# Allegro board 6089-103-RevB_76.brd (continued)
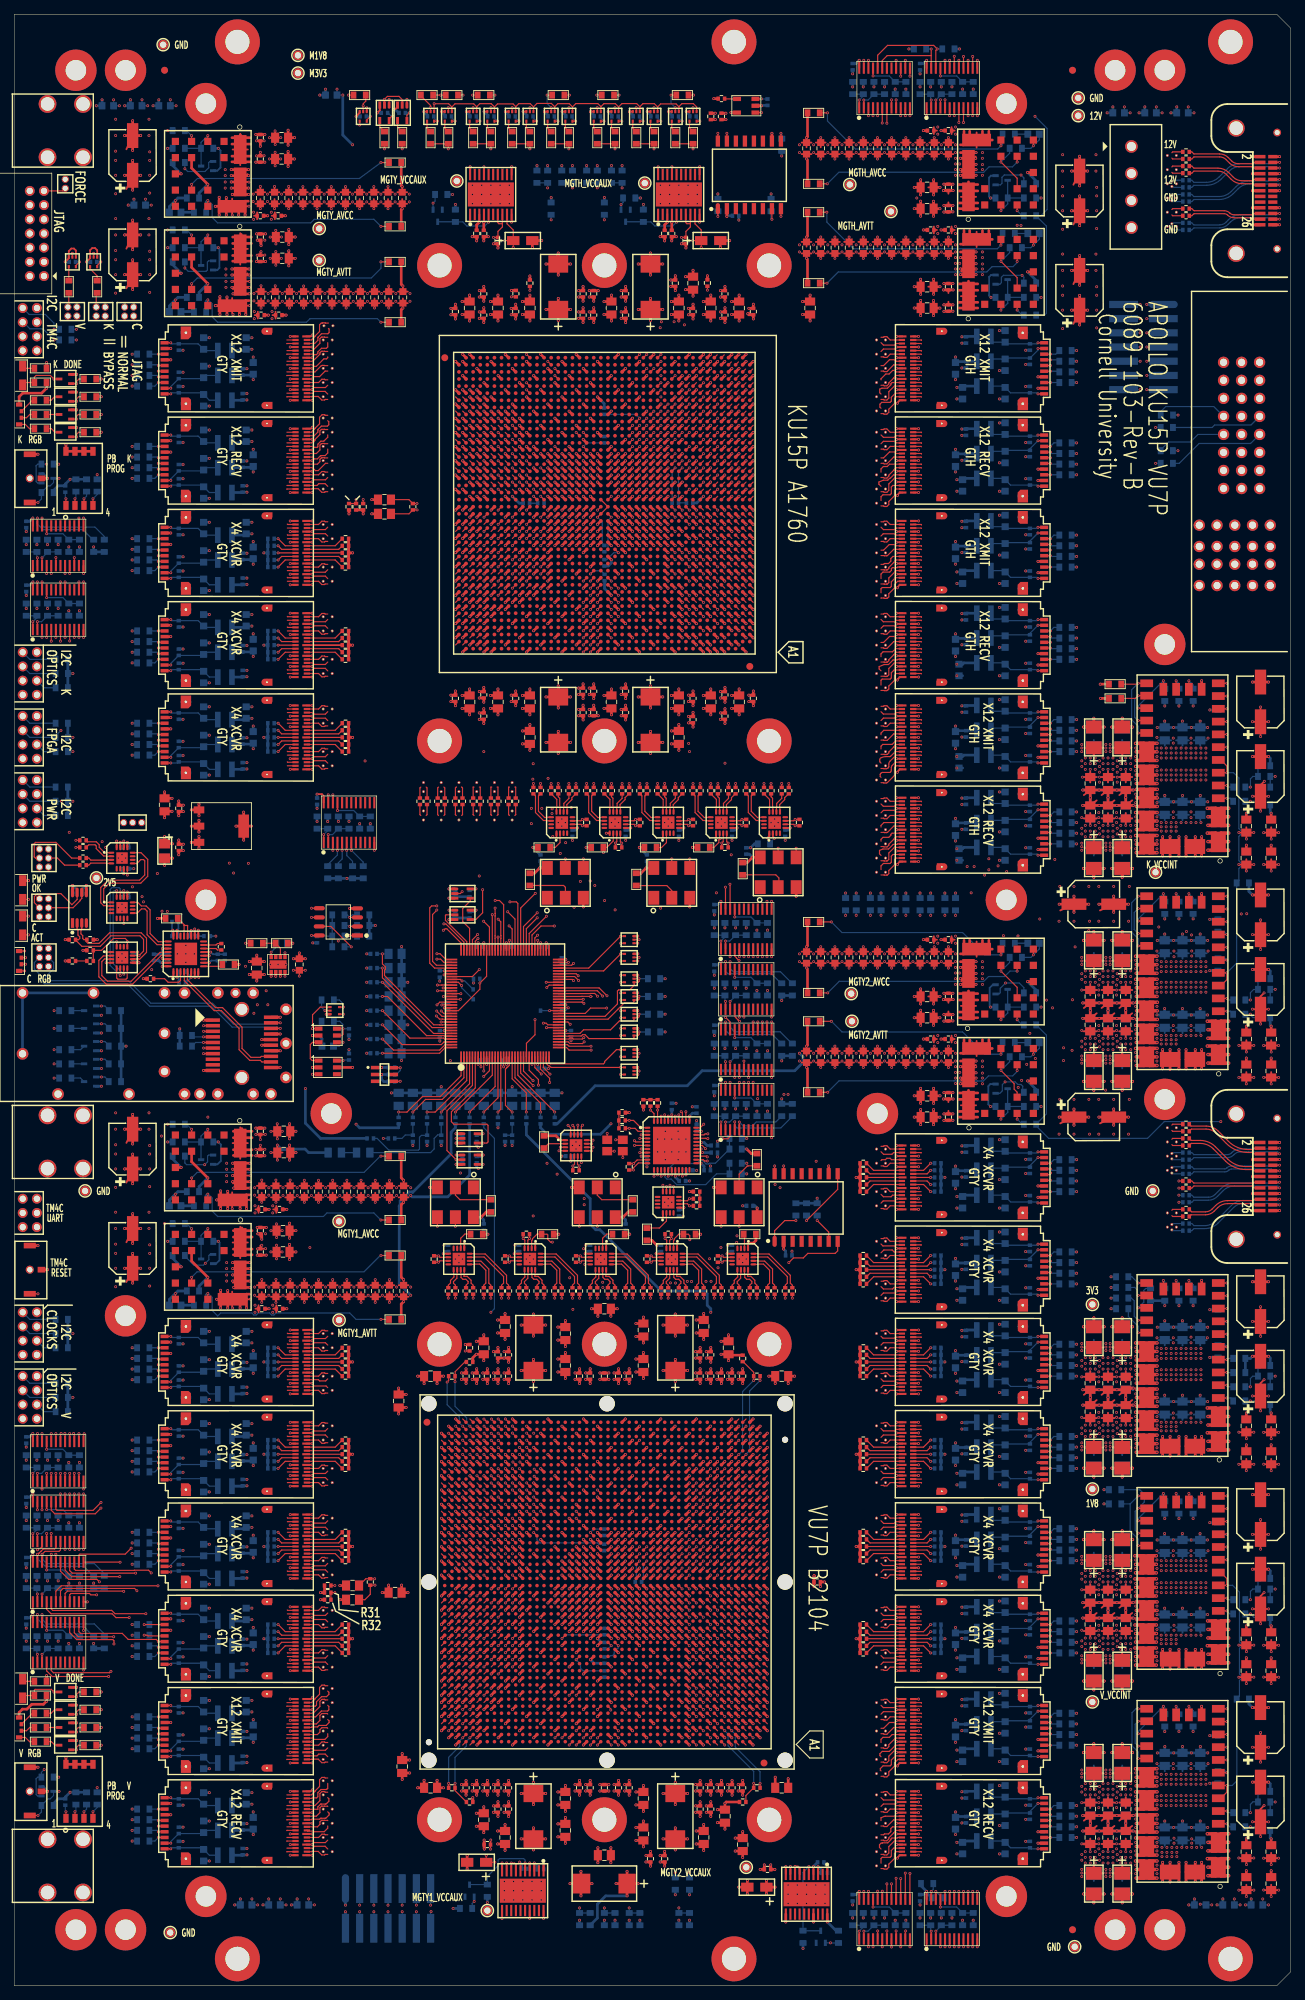
[diagram p0: board, top side]
## Routing (per net, layer and track width the routed paths; a pad name or vN(x,y) marks a point on that pad's centre or on a via; arc(x,y) is an arc through that point) (continued)
C306.2 v1(109.11,84.87) ; U65.M35 v1(69.23,198.93) ; U65.BB41 v1(63.23,229.87) ; U65.R40 v1(64.23,201.93) ; U65.AY14 v1(91.17,227.87) ; U65.W15 v1(90.17,205.93) ; U66.AN35 v1(71.23,66.86) ; U66.AW42 v1(64.24,72.86) ; U65.AB24 v1(80.23,209.87) ; U66.BB45 v1(61.25,75.86) ; U65.AM3 v1(102.17,219.87) ; Q5.2 v1(8.8,42.05) ; U65.P39 v1(65.23,200.93) ; v1(101.2,26.87) C285.2 v1(100.56,27.45) ; U66.BE6 v1(101.17,78.85) ; R135.2 v1(96.77,105.9) ; U66.AT5 v1(102.16,69.86) ; U66.W11 v1(96.16,51.94) ; U65.R37 v1(67.23,201.93) ; U65.AB18 v1(87.17,209.87) ; U65.AC25 v1(79.23,210.87) ; U66.AB35 v1(71.23,54.94) ; U66.AH26 v1(80.25,61.86) ; U66.E12 v1(95.17,37.94) ; U66.K14 v1(93.16,42.95) ; C471.2 v1(177.2,135.22) ; U66.AD37 v1(69.25,57.87) ; U65.D7 v1(98.17,190.93) ; U66.AA21 v1(86.15,53.95) ; R104.1 v1(73.13,160.4) ; C351.2 v1(126.88,239.4) ; C351.2 v1(127.79,240.45) ; C351.2 v1(127.79,238.35) ; U65.U23 v1(81.23,203.93) ; U65.AC23 v1(81.23,210.87) ; R23.1 v1(12.27,36.4) ; v1(69.2,19.08) C139.2 v1(68.15,19.99) ; U65.AB16 v1(89.17,209.87) ; R15.1 v1(12.27,223.9) ; U66.K3 v1(104.16,42.95) ; v1(66.2,245.87) C116.2 v1(66.83,246.45) ; U65.AC38 v1(66.23,210.87) ; v1(30.6,255.9) 31.9,255.9 ; 31.9,255.9 v1(33.02,255.9) ; U65.U21 v1(84.17,203.93) ; U65.AU35 v1(69.23,224.87) ; U66.AT35 v1(71.23,69.86) ; U66.BC15 v1(92.17,76.87) ; U66.BB46 v1(60.23,75.86) ; v1(174.57,88.7) C464.2 v1(176.83,88.7) ; U66.BE3 v1(104.16,78.85) ; U22.2 v1(22.07,204.7) ; U66.AG27 v1(79.23,60.87) ; U30.2 v1(22.07,25.7) ; U65.H34 v1(70.23,194.93) ; U66.AF22 v1(85.16,59.85) ; U66.B6 v1(101.17,34.95) ; U66.AA15 v1(92.17,53.95) ; U65.T13 v1(92.17,202.93) ; v1(84.11,94.35) C192.2 v1(85.02,95.4) ; U66.D12 v1(95.17,36.93) ; U66.AG7 v1(100.17,60.87) ; U126.13 v1(167.4,39.38) ; U75.3 v1(87.91,131.9) ; U59.3 v1(80.24,152.02) ; U65.A17 v1(88.17,187.93) ; C432.2 v1(157.75,51.81) ; U66.T45 v1(61.25,48.94) ; U66.AL39 v1(67.24,64.86) ; U65.D40 v1(64.23,190.93) ; U65.G38 v1(66.23,193.93) ; U65.T11 v1(94.17,202.93) ; U66.BF41 v1(65.23,79.87) ; U65.N18 v1(87.17,199.93) ; U123.27 v1(162.95,129.14) ; U123.27 v1(162.95,131.91) ; U65.AJ42 v1(62.23,216.87) ; U13.14 v1(37.51,131.75) ; U66.AT42 v1(64.24,69.86) ; U66.AD22 v1(85.16,57.87) ; U65.N13 v1(92.17,199.93) ; R17.1 v1(12.27,218.9) ; U65.AC27 v1(77.23,210.87) ; U65.M31 v1(73.23,198.93) ; U66.AF3 v1(104.16,59.85) ; U66.L35 v1(71.23,43.94) ; U65.AA15 v1(90.17,207.93) ; U66.AT12 v1(95.17,69.86) ; U65.C9 v1(96.17,189.93) ; U65.AB38 v1(66.23,209.87) ; U66.R19 v1(88.16,47.93) ; R168.1 v1(118.69,100.9) ; R168.1 R167.1 R166.1 ; R168.1 R169.1 R170.1 ; U66.C35 v1(71.23,35.94) ; U66.AN38 v1(68.23,66.86) ; U65.AA33 v1(71.23,207.93) ; v1(69.7,89.93) C142.2 v1(69.06,89.35) ; U65.G42 v1(62.23,193.93) ; U65.Y39 v1(65.23,206.93) ; U65.AN28 v1(76.23,220.87) ; U65.AH31 v1(73.23,215.87) ; U66.AG2 v1(105.11,60.83) ; U65.AM39 v1(65.23,219.87) ; U65.T16 v1(89.17,202.93) ; U65.F3 v1(102.17,192.93) ; U65.AA1 v1(104.17,207.93) ; v1(33.15,238.4) 32,238.4 ; 32,238.4 v1(30.85,238.4) ; U65.Y18 v1(87.17,206.93) ; 161.9,16.02 v1(161.9,17.4) ; 161.9,16.02 v1(161.9,14.7) ; P2.7 v1(178.38,255.32) ; U65.U9 v1(96.17,203.93) ; U66.M4 v1(103.17,44.93) ; U30.4 v1(22.07,24.1) ; R171.1 R172.1 R173.1 ; U65.T7 v1(98.17,202.93) ; U65.A38 v1(66.23,187.93) ; U66.T35 v1(71.23,48.94) ; C250.2 v1(95.19,111.9) ; U66.T12 v1(95.17,48.94) ; Q1.2 v1(8.8,227.05) ; U65.AU11 v1(94.17,224.87) ; U65.AD40 v1(64.23,211.87) ; v1(57.79,84.85) C94.2 v1(56.88,85.9) ; U65.AH24 v1(80.23,215.87) ; U66.AB24 v1(82.23,54.94) ; U65.V40 v1(64.23,204.93) ; U65.R5 v1(100.17,201.93) ; U66.Y41 v1(65.23,52.93) ; C31.2 v1(35.93,95.4) ; U66.R29 v1(77.22,47.93) ; U65.G37 v1(67.23,193.93) ; U65.R2 v1(103.17,201.93) ; U66.AC15 v1(92.17,55.93) ; U66.AT41 v1(65.23,69.86) ; 88.71,65.41 v1(89.18,65.87) ; R53.1 R54.1 R55.1 ; U65.T4 v1(101.17,202.93) ; U65.A5 v1(100.17,187.93) ; U66.AY4 v1(103.17,73.87) ; U66.AD20 v1(87.17,57.87) ; v1(131.06,249.93) 131.68,249.93 C368.2 v1(132.34,249.95) ; U65.AJ16 v1(89.17,216.87) ; U69.3 v1(87.91,147.9) ; U65.BB2 v1(103.17,229.87) ; U66.R10 v1(97.15,47.93) ; U65.AT22 v1(82.23,223.87) ; U66.AK24 v1(82.23,63.87) ; U66.P42 v1(64.24,46.94) ; C52.2 v1(41.04,144.71) ; C52.2 v1(40.2,145.53) ; C52.2 v1(39.36,144.71) ; U66.U21 v1(86.15,49.93) ; U66.F39 v1(67.24,38.93) ; U107.4 v1(144.33,187.7) ; U66.AF12 v1(95.17,59.85) ; C449.2 v1(173.7,165.22) ; U66.AU23 v1(84.17,70.85) ; U65.AM40 v1(64.23,219.87) ; P3.7 v1(178.38,116.42) ; U65.B39 v1(65.23,188.93) ; U66.V18 v1(89.18,50.92) ; U65.H3 v1(102.17,194.93) ; U65.A37 v1(67.23,187.93) ; U25.4 v1(22.07,89.1) ; U65.AA41 v1(63.23,207.93) ; U66.BE9 v1(98.17,78.85) ; U66.BE19 v1(88.16,78.85) ; U66.AJ13 v1(94.16,62.88) ; U65.K39 v1(65.23,196.93) ; U66.C12 v1(95.17,35.94) ; U66.G43 v1(63.23,39.93) ; U66.R44 v1(62.24,47.93) ; U66.BD44 v1(62.24,77.86) ; U65.AN5 v1(100.17,220.87) ; U66.AD18 v1(89.18,57.87) ; U65.L2 v1(103.17,197.93) ; U65.AD20 v1(85.17,211.87) ; U65.AD24 v1(80.23,211.87) ; U66.BA37 v1(69.25,74.87) ; R102.1 v1(72.7,240.91) ; U65.L38 v1(66.23,197.93) ; U65.AA2 v1(103.17,207.93) ; U66.AA25 v1(81.24,53.95) ; U65.AT32 v1(72.23,223.87) ; U66.AH4 v1(103.17,61.86) ; U66.H45 v1(61.25,40.94) ; U66.AB20 v1(87.17,54.94) ; U66.AL43 v1(63.23,64.86) ; U65.T3 v1(102.17,202.93) ; U65.AA29 v1(75.23,207.93) ; U23.2 v1(22.07,191.7) ; R55.1 v1(47.71,74.9) ; C475.2 v1(177.2,50.72) ; U65.T18 v1(87.17,202.93) ; U66.W15 v1(92.17,51.94) ; C427.2 v1(157.75,138.49) ; U65.AF31 v1(73.23,213.87) ; v1(35.53,106.85) C24.2 v1(34.27,106.85) ; U65.AA5 v1(100.17,207.93) ; P2.1 v1(178.38,257.73) ; SW1.1 v1(3.35,215.8) ; U66.E1 v1(106.17,37.94) ; P2.20 v1(174.58,250.53) ; U66.J39 v1(67.24,41.93) ; U65.F7 v1(98.17,192.93) ; U66.C41 v1(65.23,35.94) ; U66.H39 v1(67.24,40.94) ; U65.AW2 v1(103.17,226.87) ; U65.AR1 v1(104.17,222.87) ; U65.AL32 v1(72.23,218.87) ; U65.Y14 v1(91.17,206.93) ; U65.AT4 v1(101.17,223.87) ; U65.G2 v1(103.17,193.93) ; U124.13 v1(167.4,99.38) ; U26.4 v1(22.07,76.1) ; U66.AP8 v1(99.16,67.86) ; U65.AE17 v1(88.17,212.87) ; C383.2 v1(150.65,168.49) ; 32.1,99.3 v1(33.25,99.3) ; 32.1,99.3 v1(30.8,99.3) ; U66.AY10 v1(97.15,73.87) ; U65.AD11 v1(94.17,211.87) ; C365.2 v1(130.67,261.4) ; U66.BA11 v1(96.16,74.87) ; R158.2 111.84,143.29 ; U66.AE17 v1(90.17,58.86) ; U65.AF7 v1(98.17,213.87) ; U66.T37 v1(69.25,48.94) ; C456.2 v1(173.7,46.22) ; U66.H5 v1(102.16,40.94) ; R105.2 76.38,119.76 v1(76.99,119.15) ; U66.K24 v1(82.23,42.95) ; U66.W13 v1(94.16,51.94) ; U66.P45 v1(61.25,46.94) ; 102.71,65.41 v1(103.17,65.87) ; U65.AJ33 v1(71.23,216.87) ; U66.H9 v1(98.17,40.94) ; U65.AL41 v1(63.23,218.87) ; U66.Y46 v1(60.23,52.93) ; U66.AF24 v1(82.23,59.85) ; U66.V28 v1(78.24,50.92) ; U66.P40 v1(66.23,46.94) ; P3.8 v1(174.58,116.42) ; U66.N44 v1(62.24,45.95) ; U65.AK19 v1(86.17,217.87) ; U65.AC19 v1(86.17,210.87) ; U32.2 v1(42.04,133.9) ; v1(69.2,94.72) C138.2 v1(68.15,93.81) ; U66.AA5 v1(102.16,53.95) ; U66.AF20 v1(87.17,59.85) ; U66.AP35 v1(71.23,67.86) ; U65.AL5 v1(100.17,218.87) ; C470.2 v1(177.2,160.72) ; U65.P3 v1(102.17,200.93) ; U66.E6 v1(101.17,37.94) ; U65.AD31 v1(73.23,211.87) ; U65.V14 v1(91.17,204.93) ; U117.4 v1(144.33,21.7) ; U66.AF26 v1(80.25,59.85) ; U65.AC41 v1(63.23,210.87) ; U66.AL7 v1(100.17,64.86) ; U65.AC5 v1(100.17,210.87) ; U66.J6 v1(101.17,41.93) ; U66.AN1 v1(106.17,66.86) ; U65.J21 v1(84.17,195.93) ; U65.K40 v1(64.23,196.93) ; U66.AF8 v1(99.16,59.85) ; U65.AB14 v1(91.17,209.87) ; U66.V20 v1(87.17,50.92) ; U65.AC9 v1(96.17,210.87) ; U66.AW11 v1(96.16,72.86) ; U65.T28 v1(76.23,202.93) ; U65.B35 v1(69.23,188.93) ; U66.N5 v1(102.16,45.95) ; v1(131.06,253.85) C367.2 v1(132.34,253.85) ; U15.15 v1(23.54,255.3) ; U66.N43 v1(63.23,45.95) ; U66.AA43 v1(63.23,53.95) ; U65.K35 v1(69.23,196.93) ; L4.1 v1(50.41,207.4) ; 69.71,65.41 v1(69.25,65.87) ; U66.BD6 v1(101.17,77.86) ; U65.W25 v1(79.23,205.93) ; U65.G11 v1(94.17,193.93) ; U65.AW41 v1(63.23,226.87) ; U66.A44 v1(62.24,33.93) ; U65.AB20 v1(85.17,209.87) ; U65.AV28 v1(76.23,225.87) ; U65.AY7 v1(98.17,227.87) ; U65.AV38 v1(66.23,225.87) ; C381.2 v1(150.2,257.78) ; C381.2 v1(149.07,255.7) ; C381.2 v1(151.33,255.7) ; C381.2 v1(150.2,253.62) ; U66.AA42 v1(64.24,53.95) ; v1(102.06,27.45) C291.2 v1(102.7,26.87) ; C434.2 v1(157.75,21.81) ; U66.AN25 v1(81.24,66.86) ; U66.G44 v1(62.24,39.93) ; U65.AK4 v1(101.17,217.87) ; U66.BA31 v1(75.24,74.87) ; U65.B30 v1(74.23,188.93) ; U65.BB15 v1(90.17,229.87) ; U66.H41 v1(65.23,40.94) ; U66.AY24 v1(82.23,73.87) ; U65.K24 v1(80.23,196.93) ; U66.AP12 v1(95.17,67.86) ; U65.AA17 v1(88.17,207.93) ; U65.AJ21 v1(84.17,216.87) ; U66.M41 v1(65.23,44.93) ; U106.4 v1(144.33,200.7) ; 38.81,120.4 v1(38.81,119.35) ; 38.81,120.4 v1(38.81,121.45) ; 38.81,120.4 C46.2 v1(39.72,120.4) ; U104.2 v1(144.33,225.1) ; U66.AJ23 v1(84.17,62.88) ; U65.AP36 v1(68.23,221.87) ; R13.2 v1(7.19,144.4) ; U65.AJ9 v1(96.17,216.87) ; U66.H4 v1(103.17,40.94) ; U65.AH4 v1(101.17,215.87) ; U65.G1 v1(104.17,193.93) ; U66.B7 v1(100.17,34.95) ; U66.AC21 v1(86.15,55.93) ; v1(97.56,86.35) C266.2 v1(98.2,86.93) ; U66.AE2 v1(105.15,58.86) ; U66.AB18 v1(89.18,54.94) ; U66.Y34 v1(72.25,52.93) ; U66.W7 v1(100.17,51.94) ; U65.A2 v1(103.17,187.93) ; C478.2 v1(177.2,16.22) ; U66.AB16 v1(91.16,54.94) ; U65.AM33 v1(71.23,219.87) ; U66.M5 v1(102.16,44.93) ; U65.AE15 v1(90.17,212.87) ; U66.AE6 v1(101.17,58.86) ; U65.AD13 v1(92.17,211.87) ; U66.B28 v1(78.24,34.95) ; U66.Y26 v1(80.25,52.93) ; U66.BA44 v1(62.24,74.87) ; U65.H28 v1(76.23,194.93) ; U66.V24 v1(82.23,50.92) ; U65.AF18 v1(87.17,213.87) ; U66.H30 v1(76.23,40.94) ; U66.BB40 v1(66.23,75.86) ; U65.AV11 v1(94.17,225.87) ; U73.3 v1(87.91,137.4) ; U66.B41 v1(65.23,34.95) ; U66.U5 v1(102.16,49.93) ; U65.L13 v1(92.17,197.93) ; U65.F11 v1(94.17,192.93) ; U65.AH22 v1(82.23,215.87) ; U65.P21 v1(84.17,200.93) ; U65.AG21 v1(84.17,214.87) ; v1(83.83,86.35) C193.2 v1(82.56,86.35) ; U65.AM30 v1(74.23,219.87) ; U65.AT7 v1(98.17,223.87) ; U66.M35 v1(71.23,44.93) ; U21.4 v1(22.07,216.1) ; U66.AT45 v1(61.25,69.86) ; U66.P5 v1(102.16,46.94) ; U65.T31 v1(73.23,202.93) ; U66.W19 v1(88.16,51.94) ; U24.4 v1(22.07,177.1) ; U65.AH13 v1(92.17,215.87) ; U66.Y28 v1(78.24,52.93) ; U65.AF35 v1(69.23,213.87) ; v1(100.2,239.43) C276.2 v1(99.56,238.85) ; U99.11 v1(108.78,9) ; U65.H18 v1(87.17,194.93) ; U65.J33 v1(71.23,195.93) ; U66.T42 v1(64.24,48.94) ; U112.2 v1(144.33,85.1) ; U66.AE10 v1(97.15,58.86) ; U66.AH5 v1(102.16,61.86) ; U65.AF3 v1(102.17,213.87) ; U66.AF16 v1(91.16,59.85) ; U65.V26 v1(78.23,204.93) ; U72.3 v1(87.91,139.9) ; U66.M9 v1(98.17,44.93) ; C453.2 v1(173.7,80.72) ; U66.AH14 v1(93.16,61.86) ; U66.BE39 v1(67.24,78.85) ; U66.AV40 v1(66.23,71.87) ; U66.BD3 v1(104.16,77.86) ; U65.AY8 v1(97.17,227.87) ; U66.P46 v1(60.23,46.94) ; P3.14 v1(174.58,114.03) ; U66.V36 v1(70.24,50.92) ; U66.AU12 v1(95.17,70.85) ; U66.U42 v1(64.24,49.93) ; U65.AD14 v1(91.17,211.87) ; U66.P4 v1(103.17,46.94) ; U65.AW6 v1(99.17,226.87) ; U65.C10 v1(95.17,189.93) ; U65.AT40 v1(64.23,223.87) ; U118.15 v1(142.86,255.5) ; U65.AP35 v1(69.23,221.87) ; U66.U1 v1(106.17,49.93) ; U66.AC29 v1(77.22,55.93) ; U66.AF5 v1(102.16,59.85) ; U65.AG15 v1(90.17,214.87) ; U66.W17 v1(90.17,51.94) ; U66.AE27 v1(79.23,58.86) ; U65.D4 v1(101.17,190.93) ; U66.AR29 v1(77.22,68.87) ; U65.G9 v1(96.17,193.93) ; U65.AR5 v1(100.17,222.87) ; U65.L17 v1(88.17,197.93) ; U17.15 v1(23.54,115.3) ; U65.AW11 v1(94.17,226.87) ; U65.L29 v1(75.23,197.93) ; U66.AA13 v1(94.16,53.95) ; U66.J12 v1(95.17,41.93) ; U65.AB35 v1(69.23,209.87) ; U65.Y26 v1(78.23,206.93) ; U66.E19 v1(88.16,37.94) ; P2.14 v1(174.58,252.93) ; U66.AP40 v1(66.23,67.86) ; U65.AA42 v1(62.23,207.93) ; U65.N29 v1(75.23,199.93) ; U110.2 v1(144.33,111.1) ; v1(51.88,55.4) C83.2 v1(52.79,56.45) ; U66.BB3 v1(104.16,75.86) ; U65.BA22 v1(82.23,228.87) ; U66.AE42 v1(64.24,58.86) ; U65.AA25 v1(79.23,207.93) ; U65.AP37 v1(67.23,221.87) ; U66.AG33 v1(73.24,60.87) ; U65.AG13 v1(92.17,214.87) ; U65.AE37 v1(67.23,212.87) ; U66.C46 v1(60.23,35.94) ; U65.AP34 v1(70.23,221.87) ; U66.AA17 v1(90.17,53.95) ; U66.AD46 v1(60.23,57.87) ; U66.AJ21 v1(86.15,62.88) ; U66.BC35 v1(71.23,76.87) ; U70.3 v1(87.91,145.4) ; U65.W33 v1(71.23,205.93) ; U65.M3 v1(102.17,198.93) ; U66.D22 v1(85.16,36.93) ; U66.U25 v1(81.24,49.93) ; U13.17 v1(37.51,134.11) ; U66.AW12 v1(95.17,72.86) ; U65.AE42 v1(62.23,212.87) ; U65.AG29 v1(75.23,214.87) ; U65.AU5 v1(100.17,224.87) ; U20.2 v1(22.07,230.7) ; U65.AB40 v1(64.23,209.87) ; U63.3 v1(78.58,112.5) ; U65.B9 v1(96.17,188.93) ; U66.AK45 v1(61.25,63.87) ; U65.AH38 v1(66.23,215.87) ; P2.19 v1(178.38,250.53) ; U65.A8 v1(97.17,187.93) ; U66.N2 v1(105.15,45.95) ; U66.H20 v1(87.17,40.94) ; U66.AB3 v1(104.16,54.94) ; U66.AV36 v1(70.24,71.87) ; U65.C2 v1(103.17,189.93) ; U66.L42 v1(64.24,43.94) ; R26.2 v1(20.2,150.4) ; U122.24 161.12,167.38 v1(161.13,167.38) ; U82.3 v1(95.24,152.02) ; U66.W42 v1(64.24,51.94) ; U66.E41 v1(65.23,37.94) ; U66.AL31 v1(75.24,64.86) ; U66.AP22 v1(85.16,67.86) ; U65.AC15 v1(90.17,210.87) ; U66.AK20 v1(87.17,63.87) ; U66.G11 v1(96.16,39.93) ; U65.M4 v1(101.17,198.93) ; U66.T14 v1(93.16,48.94) ; U65.D3 v1(102.17,190.93) ; U65.AL1 v1(104.17,218.87) ; U66.BD1 v1(106.17,77.86) ; U66.AA19 v1(88.16,53.95) ; U65.AT11 v1(94.17,223.87) ; U66.AH9 v1(98.17,61.86) ; U66.AU33 v1(73.24,70.85) ; U66.B8 v1(99.16,34.95) ; U66.AB46 v1(60.23,54.94) ; U66.AH42 v1(64.24,61.86) ; v1(135.55,129.5) 134.45,129.5 ; C205.2 v1(86.71,123.03) ; U99.20 v1(114.62,9) ; U65.H33 v1(71.23,194.93) ; U65.AD38 v1(66.23,211.87) ; U65.V11 v1(94.17,204.93) ; U65.AP38 v1(66.23,221.87) ; U65.P29 v1(75.23,200.93) ; U65.AU9 v1(96.17,224.87) ; v1(132.34,121.95) C380.2 131.68,121.92 v1(131.06,121.92) ; U65.AB7 v1(98.17,209.87) ; U65.AE33 v1(71.23,212.87) ; U66.Y37 v1(69.25,52.93) ; U65.F12 v1(93.17,192.93) ; U65.T40 v1(64.23,202.93) ; U65.P35 v1(69.23,200.93) ; U65.B7 v1(98.17,188.93) ; U66.AY43 v1(63.23,73.87) ; U65.N1 v1(104.17,199.93) ; U65.E29 v1(75.23,191.93) ; U65.M20 v1(85.17,198.93) ; U65.G20 v1(85.17,193.93) ; U66.K37 v1(69.25,42.95) ; U66.T41 v1(65.23,48.94) ; 60.7,65.41 v1(60.23,65.87) ; 61.71,65.41 v1(61.25,65.87) ; U66.AC27 v1(79.23,55.93) ; U107.2 v1(144.33,186.1) ; U65.L42 v1(62.23,197.93) ; U65.H4 v1(101.17,194.93) ; U66.AY34 v1(72.25,73.87) ; U66.G33 v1(73.24,39.93) ; U66.B4 v1(103.17,34.95) ; U65.BA6 v1(99.17,228.87) ; U66.E44 v1(62.24,37.94) ; U65.AB39 v1(65.23,209.87) ; U65.AM38 v1(66.23,219.87) ; U66.AN42 v1(64.24,66.86) ; U65.U15 v1(90.17,203.93) ; U66.AW37 v1(69.25,72.86) ; U66.AR43 v1(63.23,68.87) ; U66.B45 v1(61.25,34.95) ; C377.2 v1(130.67,133.4) ; U65.A22 v1(82.23,187.93) ; U65.AA9 v1(96.17,207.93) ; U65.L33 v1(71.23,197.93) ; U65.AJ2 v1(103.17,216.87) ; U65.Y3 v1(102.17,206.93) ; U66.T20 v1(87.17,48.94) ; U66.Y20 v1(87.17,52.93) ; L2.1 v1(45.91,54.4) ; U65.AR29 v1(75.23,222.87) ; U66.G42 v1(64.24,39.93) ; U65.AL22 v1(82.23,218.87) ; U66.Y9 v1(98.17,52.93) ; U65.AF16 v1(89.17,213.87) ; U65.V18 v1(87.17,204.93) ; U65.AB28 v1(76.23,209.87) ; U65.V31 v1(73.23,204.93) ; U66.J5 v1(102.16,41.93) ; U65.C41 v1(63.23,189.93) ; U66.N1 v1(106.17,45.95) ; U65.W1 v1(104.17,205.93) ; C29.2 v1(35.93,109.4) ; U66.C25 v1(81.24,35.94) ; U65.C13 v1(92.17,189.93) ; U65.AG1 v1(104.17,214.87) ; U66.AV35 v1(71.23,71.87) ; U65.M13 v1(92.17,198.93) ; U65.G41 v1(63.23,193.93) ; P2.26 v1(174.58,248.12) ; U66.AK37 v1(69.25,63.87) ; U66.AT26 v1(80.25,69.86) ; U65.AT37 v1(67.23,223.87) ; U106.2 v1(144.33,199.1) ; R173.1 v1(118.69,87.9) ; U65.D39 v1(65.23,190.93) ; U65.T20 v1(85.17,202.93) ; U66.U13 v1(94.16,49.93) ; U65.AV4 v1(101.17,225.87) ; U66.P36 v1(70.24,46.94) ; U65.P16 v1(89.17,200.93) ; U66.AD16 v1(91.16,57.87) ; U65.N37 v1(67.23,199.93) ; U65.P40 v1(64.23,200.93) ; U111.2 v1(144.33,98.1) ; R192.2 v1(153.16,181.4) ; U66.AV12 v1(95.17,71.87) ; U66.BF36 v1(70.24,79.87) ; U66.A31 v1(75.24,33.93) ; U66.U15 v1(92.17,49.93) ; C469.2 v1(177.2,165.22) ; U66.AY6 v1(101.17,73.87) ; v1(135.55,257.5) 134.45,257.5 ; U66.AF46 v1(60.23,59.85) ; C271.2 v1(98.62,265.9) ; U66.AL2 v1(105.15,64.86) ; U65.N33 v1(71.23,199.93) ; C451.2 v1(173.7,135.22) ; U65.AR11 v1(94.17,222.87) ; U65.V13 v1(92.17,204.93) ; U65.AP40 v1(64.23,221.87) ; Q3.2 v1(8.8,222.05) ; R154.2 111.84,257.29 ; U66.N38 v1(68.23,45.95) ; U66.BE29 v1(77.22,78.85) ; U65.L41 v1(63.23,197.93) ; U66.P12 v1(95.17,46.94) ; U65.T24 v1(80.23,202.93) ; U66.AB22 v1(85.16,54.94) ; U66.R7 v1(100.17,47.93) ; U66.AN12 v1(95.17,66.86) ; U66.H42 v1(64.24,40.94) ; U65.AN34 v1(70.23,220.87) ; U66.K45 v1(61.25,42.95) ; C455.2 v1(173.7,50.72) ; 114.82,114.42 v1(114.82,115.52) ; U66.AB28 v1(78.24,54.94) ; U65.BA8 v1(97.17,228.87) ; P2.2 v1(174.58,257.73) ; R128.1 v1(88.13,160.4) ; U65.AU1 v1(104.17,224.87) ; U66.AP45 v1(61.25,67.86) ; U65.L27 v1(77.23,197.93) ; U65.AJ31 v1(73.23,216.87) ; U66.AY37 v1(69.25,73.87) ; U66.K12 v1(95.17,42.95) ; U66.AP4 v1(103.17,67.86) ; U65.J5 v1(100.17,195.93) ; U28.4 v1(22.07,50.1) ; U65.AT27 v1(77.23,223.87) ; C19.2 v1(35.73,249.4) ; U65.Y31 v1(73.23,206.93) ; 64.71,65.41 v1(64.24,65.87) ; Q7.2 v1(8.8,37.05) ; U66.AB42 v1(64.24,54.94) ; U66.AC1 v1(106.17,55.93) ; 175.64,109.22 v1(174.58,109.22) ; U65.AF38 v1(66.23,213.87) ; U66.AE19 v1(88.16,58.86) ; U65.AM13 v1(92.17,219.87) ; U65.F4 v1(101.17,192.93) ; U65.AG41 v1(63.23,214.87) ; U66.E10 v1(97.15,37.94) ; U66.AD41 v1(65.23,57.87) ; U66.D42 v1(64.24,36.93) ; U65.J31 v1(73.23,195.93) ; U66.AJ38 v1(68.23,62.88) ; U108.2 v1(144.33,173.1) ; U65.AE38 v1(66.23,212.87) ; U66.BB39 v1(67.24,75.86) ; U66.V42 v1(64.24,50.92) ; U66.G5 v1(102.16,39.93) ; U65.AB3 v1(102.17,209.87) ; R24.1 v1(12.27,33.9) ; U65.BB20 v1(85.17,229.87) ; U65.J32 v1(72.23,195.93) ; U66.V46 v1(60.23,50.92) ; U66.V4 v1(103.17,50.92) ; U65.B40 v1(64.23,188.93) ; P3.13 v1(178.38,114.03) ; U66.AW17 v1(90.17,72.86) ; U66.AH3 v1(104.16,61.86) ; v1(113.65,56.27) C316.2 v1(114.23,56.9) ; U65.D21 v1(84.17,190.93) ; U66.AC25 v1(81.24,55.93) ; U66.AJ17 v1(90.17,62.88) ; U66.Y3 v1(104.16,52.93) ; U65.AE19 v1(86.17,212.87) ; U65.AM4 v1(101.17,219.87) ; U66.Y14 v1(93.16,52.93) ; U66.AY1 v1(106.17,73.87) ; U65.BA17 v1(88.17,228.87) ; U66.AB40 v1(66.23,54.94) ; U66.AA31 v1(75.24,53.95) ; U65.AD26 v1(78.23,211.87) ; U66.K35 v1(71.23,42.95) ; U65.AC17 v1(88.17,210.87) ; U66.BB44 v1(62.24,75.86) ; U65.AP4 v1(101.17,221.87) ; U66.AD32 v1(74.23,57.87) ; U65.AL9 v1(96.17,218.87) ; 10.18,154.05 v1(10.18,155.04) ; U66.AD4 v1(103.17,57.87) ; U66.AH35 v1(71.23,61.86) ; U65.AR38 v1(66.23,222.87) ; U66.H3 v1(104.16,40.94)
  TOP w0.5: v1(161.1,21.66) 160.03,21.66 159.65,22.05 ; 159.68,168.21 160.06,168.59 v1(161.14,168.59) ; 159.68,168.21 159.68,167.38 ; 159.68,168.21 159.3,168.58 v1(158.2,168.58) ; 159.69,136.55 160.07,136.16 v1(161.14,136.16) ; 159.69,136.55 159.31,136.17 v1(158.22,136.17) ; 159.69,136.55 159.69,137.38 ; v1(168.2,21.41) 169.38,21.41 169.75,21.04 ; v1(161.12,24.08) 160.03,24.08 159.65,23.7 ; 169.75,163.89 170.13,163.5 v1(171.21,163.5) ; 169.75,163.89 169.37,163.51 v1(168.29,163.51) ; 169.75,163.89 U122.2 169.75,164.72 ; 169.75,79.39 170.13,79 v1(171.21,79) ; 169.75,79.39 169.37,79.01 v1(168.29,79.01) ; 169.75,79.39 U124.2 169.75,80.22 ; 159.69,137.38 U123.24 v1(158.23,137.38) ; 159.69,137.38 v1(161.14,137.38) ; 159.69,137.38 159.69,138.2 ; 159.65,23.7 159.28,24.07 v1(158.18,24.07) ; 159.65,23.7 U126.24 ; 169.75,19.39 170.13,19 v1(171.21,19) ; 169.75,19.39 169.37,19.01 v1(168.29,19.01) ; 169.75,19.39 169.75,20.21 ; v1(168.2,165.91) 169.38,165.91 169.75,165.54 ; v1(171.22,135.92) 170.13,135.92 169.75,135.54 ; v1(158.19,84.08) 159.28,84.08 159.66,83.7 ; 169.75,164.72 169.75,165.54 ; 169.75,164.72 v1(171.21,164.72) ; 169.75,164.72 v1(168.29,164.72) ; 159.68,167.38 v1(161.13,167.38) ; 159.68,167.38 159.68,166.55 ; 159.68,167.38 v1(158.22,167.38) ; 169.75,133.89 169.37,133.51 v1(168.29,133.51) ; 169.75,133.89 U123.2 169.75,134.72 ; 169.75,133.89 170.13,133.5 v1(171.21,133.5) ; v1(161.12,81.67) 160.04,81.67 159.66,82.05 ; v1(158.22,166.18) 159.3,166.18 159.68,166.55 ; 159.68,166.55 160.06,166.17 v1(161.13,166.17) ; v1(171.21,49.01) 170.13,49.01 169.75,49.39 ; U126.24 v1(161.1,22.88) ; U126.24 159.65,22.05 ; U126.24 v1(158.19,22.88) ; 159.66,82.05 159.66,82.88 ; 159.66,82.05 159.28,81.67 v1(158.2,81.67) ; 159.66,82.88 159.66,83.7 ; 159.66,82.88 v1(161.12,82.88) ; 159.66,82.88 U124.24 v1(158.21,82.88) ; v1(171.21,20.21) 169.75,20.21 ; 169.75,20.21 v1(168.29,20.21) ; 169.75,20.21 169.75,21.04 ; 169.75,21.04 170.13,21.42 v1(171.22,21.42) ; 159.66,83.7 160.04,84.08 v1(161.12,84.08) ; 159.65,53.71 160.03,54.09 v1(161.11,54.09) ; 159.65,53.71 159.27,54.09 v1(158.17,54.09) ; 159.65,53.71 159.65,52.88 ; v1(171.22,165.92) 170.13,165.92 169.75,165.54 ; v1(171.21,50.22) 169.75,50.22 ; 169.75,50.22 U125.2 169.75,49.39 ; 169.75,50.22 169.75,51.04 ; 169.75,50.22 v1(168.29,50.22) ; 159.69,138.2 159.31,138.57 v1(158.21,138.57) ; 159.69,138.2 160.06,138.58 v1(161.15,138.58) ; 159.65,52.06 160.03,51.67 v1(161.1,51.67) ; 159.65,52.06 159.27,51.68 v1(158.19,51.68) ; 159.65,52.06 159.65,52.88 ; 169.75,51.04 170.13,51.42 v1(171.22,51.42) ; 169.75,51.04 169.38,51.41 v1(168.25,51.41) ; 159.65,52.88 v1(161.1,52.88) ; 159.65,52.88 v1(158.19,52.88) ; 169.75,134.72 v1(168.29,134.72) ; 169.75,134.72 169.75,135.54 ; 169.75,134.72 v1(171.21,134.72) ; v1(168.29,49.01) 169.37,49.01 169.75,49.39 ; v1(171.21,80.22) 169.75,80.22 ; 169.75,80.22 v1(168.29,80.22) ; 169.75,80.22 169.75,81.04 ; v1(158.19,21.67) 159.27,21.67 159.65,22.05 ; 169.75,135.54 169.38,135.91 v1(168.2,135.91) ; 169.75,81.04 170.13,81.42 v1(171.22,81.42) ; 169.75,81.04 169.38,81.42 v1(168.2,81.42)